# Altium PCB PCB2-v2.PcbDoc (part 5 of 8)
Units mil, origin at the board's own origin, x right, y up, seen from the top; angles counter-clockwise.
Board outline 4330.71 x 4330.71 mil, 2 copper layers (Top Layer, Bottom Layer); 153 components, 127 nets, 575 pads, 933 vias.
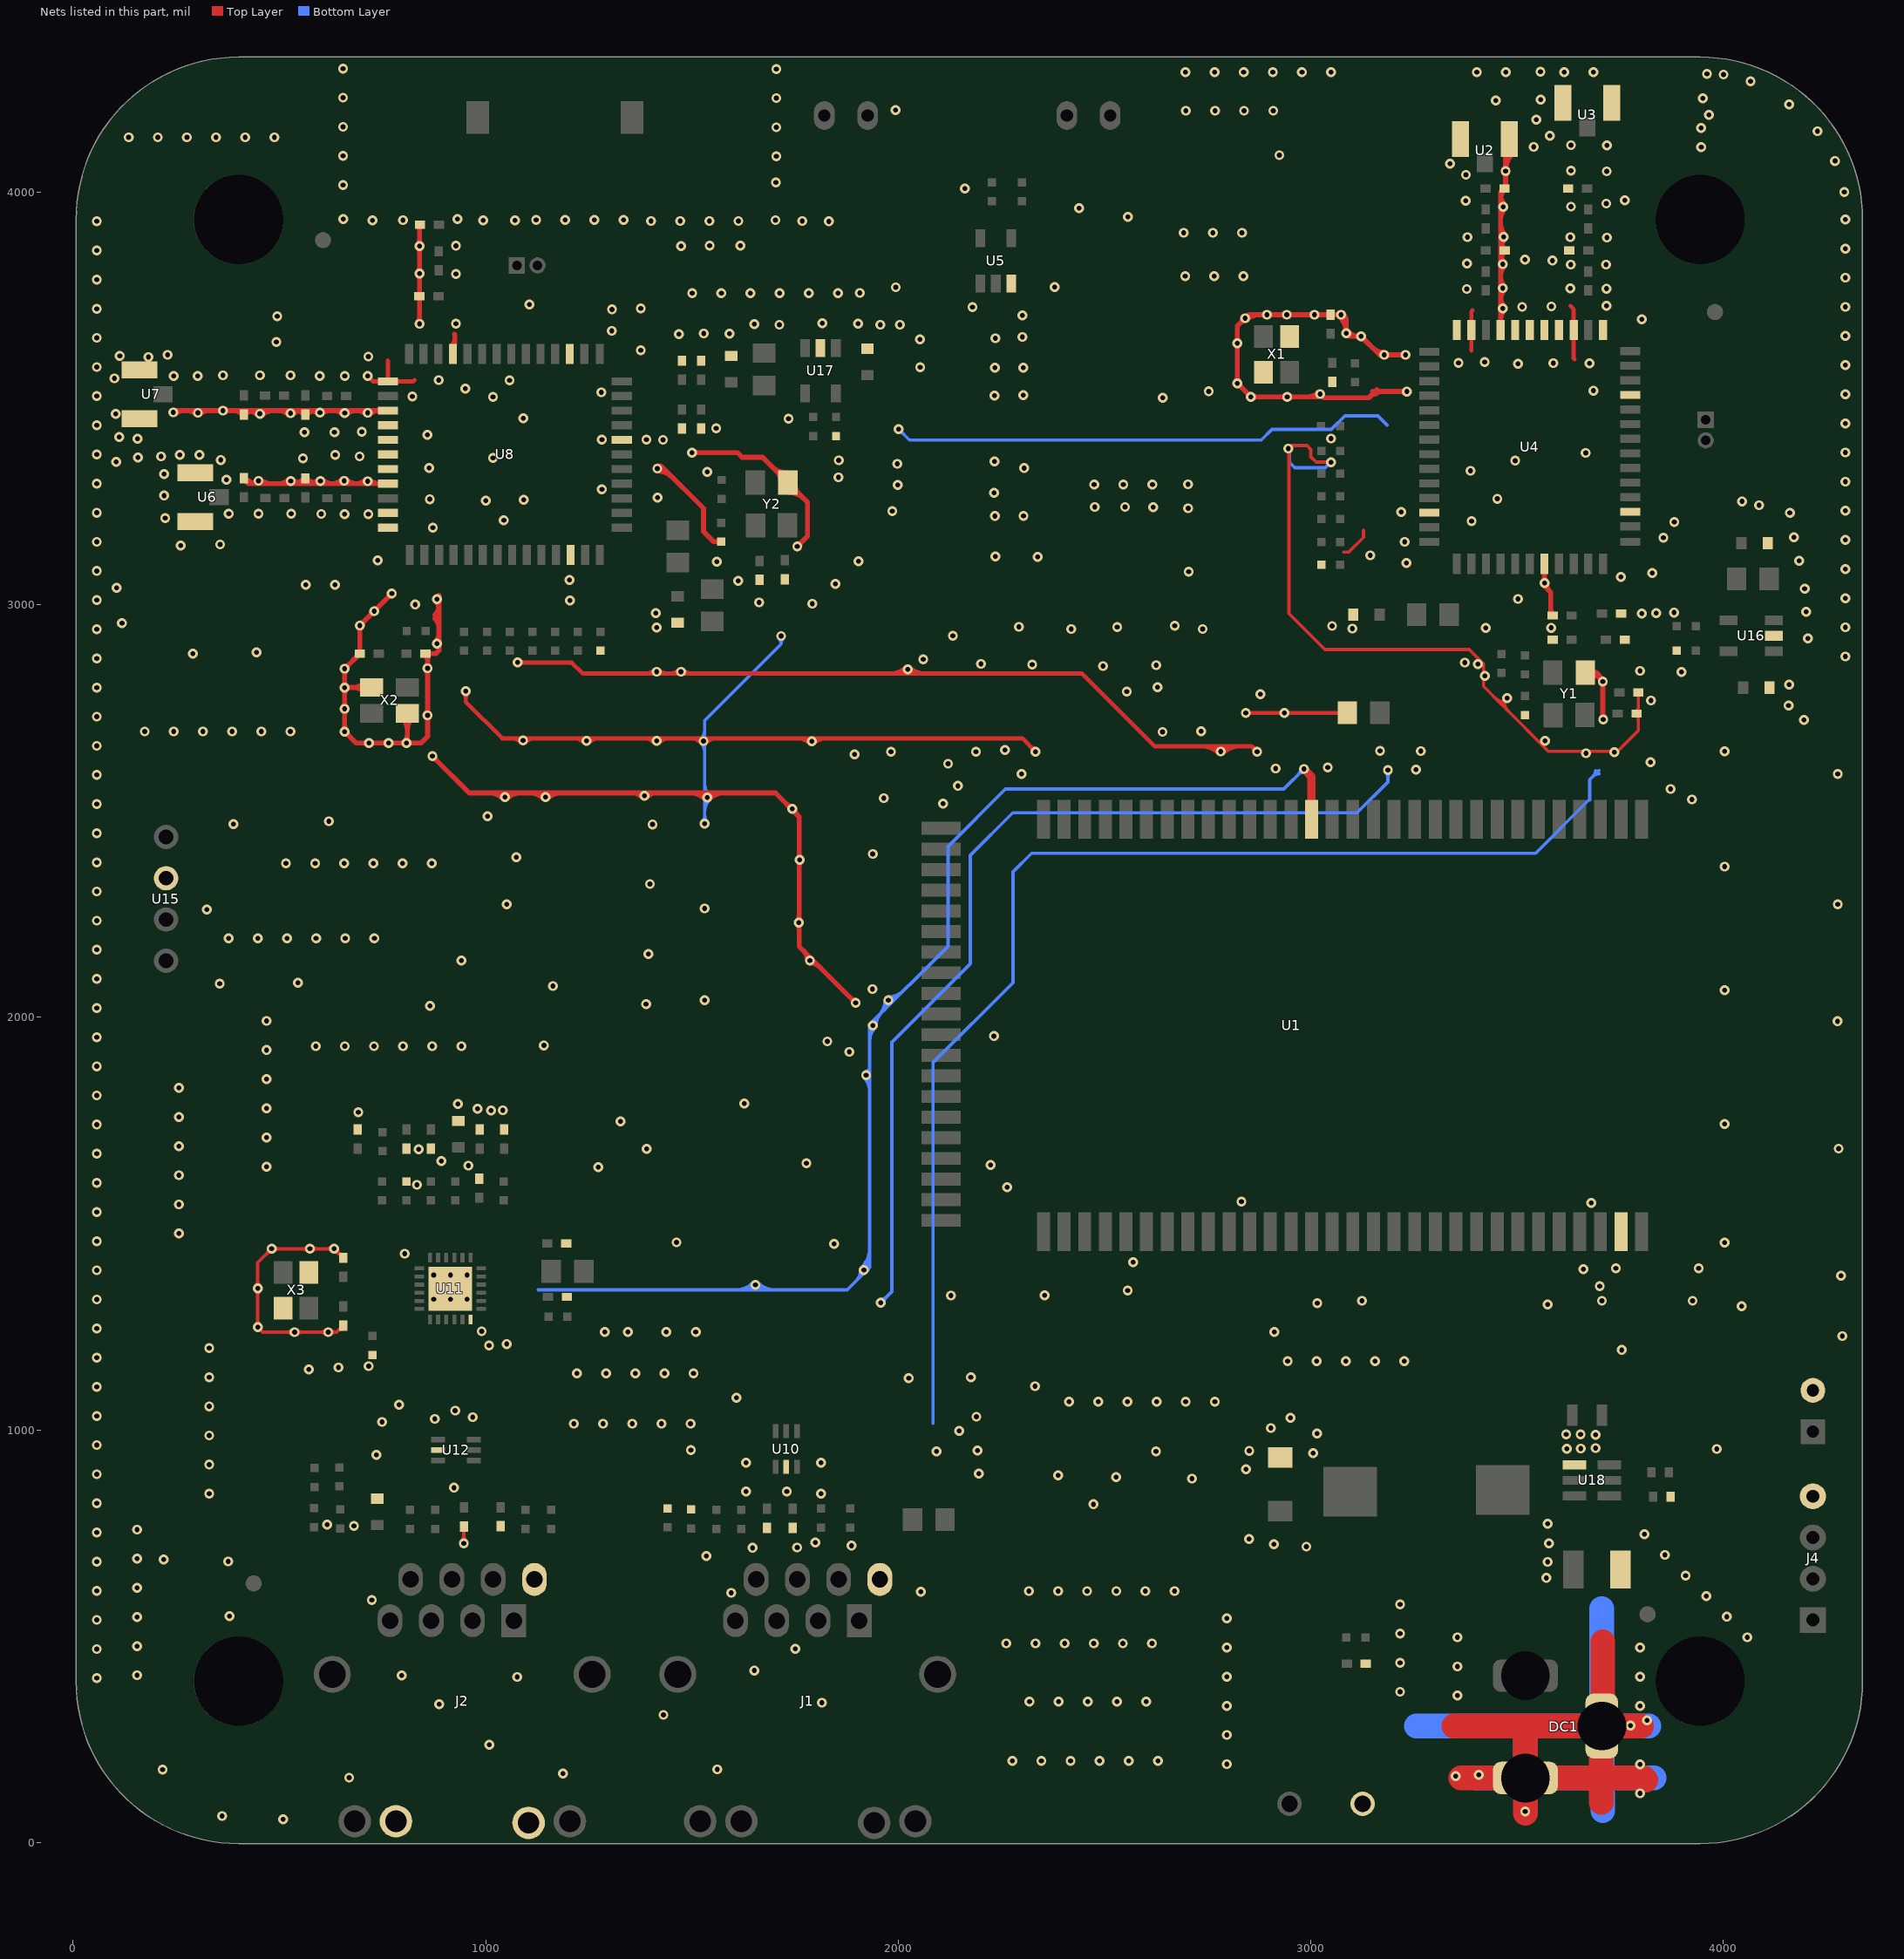
[diagram p5: the nets of this part, all layers, seen from the top]

## Via types
v1: diameter 24, hole 12, Top Layer to Bottom Layer, tented both sides, 931 vias
v2: diameter 78.74, hole 51.18, Top Layer to Bottom Layer, 2 vias

## Nets (pads, with @x,y where several pads share a name; then routed paths per layer and width w, separated by ;. In a path a pad name is that pad's centre, name@x,y a point inside that pad or via, vN(x,y) a via of type N, cw(c..) or ccw(c..) an arc to the next point about the centre after c; other vN are vias at no path point) (continued)
GND: (continued)
  Top Layer w12: v1@242.87,3470.58 U8.3@762.79,3470.58 ; v1@247.11,3461.99 cw(c267.85,3441.25) 267.85,3470.58 ; 275.15,3470.58 cw(c275.15,3438.32) v1@297.96,3461.13 ; v1@306.44,3461.13 cw(c329.25,3438.32) 329.25,3470.58 ; v1@359.08,3466.34 ccw(c348.83,3456.09) 348.83,3470.58 ccw(c348.83,3485.06) v1@359.08,3474.82 ; v1@367.56,3466.34 cw(c377.8,3456.09) 377.8,3470.58 cw(c377.8,3485.06) v1@367.56,3474.82 ; C20.2@419.65,3470.58 cw(c419.65,3430.17) v1@448.23,3458.74 ; v1@443.69,3302.74 cw(c429.48,3308.9) 429.48,3293.41 ; v1@453.44,3304.6 ccw(c480.46,3331.62) 480.46,3293.41 ; v1@456.71,3458.74 cw(c485.28,3430.17) 485.28,3470.58 ; 496.91,3470.58 cw(c496.91,3434.59) v1@522.36,3460.04 ; 497,3293.41 ccw(c497,3330.19) v1@523.01,3304.18 ; v1@530.85,3460.04 cw(c556.3,3434.59) C24.2@556.3,3470.58 ; v1@531.49,3304.18 ccw(c557.5,3330.19) 557.5,3293.41 ; 569.62,3293.41 ccw(c569.62,3329.32) v1@595.01,3303.93 ; 572.96,3470.58 cw(c572.96,3440.98) v1@593.88,3461.91 ; v1@602.37,3461.91 cw(c623.29,3440.98) 623.29,3470.58 ; v1@603.5,3303.93 ccw(c628.89,3329.32) 628.89,3293.41 ; 625.48,3293.41 ccw(c625.48,3331.94) v1@652.72,3304.7 ; 630.26,3470.58 cw(c630.26,3437.06) v1@653.96,3460.76 ; v1(658.15,2798.89) v1(658.15,2692.59) 685.71,2665.03 v1@815.63,2665.03 ; v1@658.15,2799.61 v1(658.15,2844.89) C30.2@694.83,2881.56 v1(694.83,2949.74) v1(772.33,3027.23) ; v1@658.88,2799.61 X2.4@723.3,2799.61 ; v1@661.2,3304.7 ccw(c688.44,3331.94) 688.44,3293.41 ; v1@662.45,3460.76 cw(c686.15,3437.06) 686.15,3470.58 ; 684.86,3293.41 ccw(c684.86,3327.95) v1@709.29,3303.53 ; 686.76,3470.58 cw(c686.76,3438.34) v1@709.56,3461.13 ; v1@717.77,3303.53 ccw(c742.19,3327.95) U8.8@742.19,3293.41 ; v1@718.04,3461.13 cw(c740.84,3438.34) U8.3@740.84,3470.58 ; U8.8@762.79,3293.41 429.48,3293.41 ; X2.2@809.91,2736.62 809.91,2670.75 v1@815.63,2665.03 ; v1(839.26,3680.77) C27.1@839.26,3747.7 839.26,3917.93 cw(c843.5,3917.93) C29.2@840.5,3920.93 ; v1(870.89,2632.89) 959.89,2543.89 1702.28,2543.89 1759.72,2486.44 1759.72,2172.06 v1(1896.89,2034.89) ; v1@886.5,3023.29 886.5,2889.44 878.63,2881.56 C31.2@853.76,2881.56 858.94,2876.38 v1(858.94,2846.13) v1(858.94,2731.96) 858.94,2680.77 843.19,2665.03 v1@815.63,2665.03 ; U8.47@920.27,3607.9 920.27,3631.19 924.97,3635.89 ; 923.89,3656.02 924.97,3654.94 924.97,3635.89 ; v1(1415.89,3330.04) 1431.39,3330.04 1527.89,3233.54 1527.89,3177.34 1552.33,3152.89 R52.1@1570.87,3152.89 ; v1(1499.89,3368.84) 1610.26,3368.84 1621.65,3357.45 1671.05,3357.45 Y2.2@1732.41,3296.09 1779.89,3248.62 1779.89,3166.16 1756.07,3142.34 v1@1751.89,3142.34 ; v1@3015.46,3503.89 v1(2854.89,3503.89) v1(2821.89,3536.89) 2821.89,3675.89 2849.15,3703.15 C12.2@3047.92,3703.15 v1(3073.63,3703.15) 3085.89,3690.89 v1(3085.89,3657.89) 3092.89,3650.89 v1(3121.89,3650.89) 3166.89,3605.89 v1(3229.89,3605.89) ; v1@3021.47,3511.89 3031.47,3501.89 3140.89,3501.89 3155.89,3516.89 v1(3232.89,3516.89) ; U4.8@3460.11,3666.18 3460.11,4000.03 3472.22,4012.13 U2.0@3472.22,4111.03 ; U4.8@3460.11,3690.55 cw(c3493.35,3690.55) v1@3469.85,3714.05 ; 3460.11,3739.78 cw(c3493.39,3739.78) v1@3469.86,3763.31 ; 3460.11,3746.04 ccw(c3493.35,3746.04) v1@3469.85,3722.53 ; 3460.11,3795.33 ccw(c3493.39,3795.33) v1@3469.86,3771.8 ; 3460.11,3797.87 cw(c3493.25,3797.87) v1@3469.82,3821.3 ; C5.1@3460.11,3853.21 ccw(c3493.25,3853.21) v1@3469.82,3829.79 ; C5.1@3460.11,3859 cw(c3499.91,3859) v1@3471.77,3887.14 ; 3460.11,3923.77 ccw(c3499.91,3923.77) v1@3471.77,3895.62 ; 3460.11,3934.57 cw(c3496.89,3934.57) v1@3470.89,3960.57 ; 3460.11,3983.17 cw(c3493.19,3983.17) C1.1@3469.8,4006.56 ; 3460.11,3995.06 ccw(c3496.89,3995.06) v1@3470.89,3969.06 ; v1@3467.98,4046.65 cw(c3457.74,4036.4) 3472.22,4036.4 cw(c3486.71,4036.4) v1@3476.46,4046.65 ; v1@3467.98,4055.13 ccw(c3457.74,4065.37) 3472.22,4065.37 ccw(c3486.71,4065.37) v1@3476.46,4055.13 ; C1.1@3469.15,4012.21 ccw(c3461.72,4019.64) 3472.22,4019.64 ; v1@3472.22,4050.15 cw(c3537.48,4050.15) U2.0@3491.33,4096.29 ; 3472.22,4079.12 cw(c3508.51,4079.12) U2.0@3482.85,4104.78 ; U4.32@3566.41,3099.26 3566.41,3045.44 3581.39,3030.47 3581.39,3017.07 3581.82,3016.64 3581.82,2978.57 C18.2@3586.43,2973.96 ; Y1.2@3665.48,2835.89 3691.89,2835.89 ; v1@3707.89,2717.6 3707.89,2819.89 3691.89,2835.89 ; 429.48,3293.41 cw(c429.48,3305.19) 417.73,3304.45 ccw(c429.48,3305.19) 429.48,3293.41 ; v1@653.91,2696.83 ccw(c643.67,2707.07) 658.15,2707.07 ; v1@653.91,2696.83 ccw(c643.67,2707.07) 658.15,2707.07 ; v1@653.91,2696.83 ccw(c643.67,2707.07) 658.15,2707.07 ; v1@653.91,2696.83 ccw(c643.67,2707.07) 658.15,2707.07 ; v1@653.91,2743.46 cw(c643.67,2733.22) 658.15,2733.22 ; v1@653.91,2743.46 cw(c643.67,2733.22) 658.15,2733.22 ; v1@653.91,2743.46 cw(c643.67,2733.22) 658.15,2733.22 ; v1@653.91,2743.46 cw(c643.67,2733.22) 658.15,2733.22 ; v1@653.91,2751.95 ccw(c643.67,2762.19) 658.15,2762.19 ; v1@653.91,2751.95 ccw(c643.67,2762.19) 658.15,2762.19 ; v1@653.91,2751.95 ccw(c643.67,2762.19) 658.15,2762.19 ; v1@653.91,2751.95 ccw(c643.67,2762.19) 658.15,2762.19 ; v1@653.91,2794.64 cw(c643.67,2784.4) 658.15,2784.4 ; v1@653.91,2794.64 cw(c643.67,2784.4) 658.15,2784.4 ; v1@653.91,2794.64 cw(c643.67,2784.4) 658.15,2784.4 ; v1@653.91,2794.64 cw(c643.67,2784.4) 658.15,2784.4 ; v1@653.91,2803.13 ccw(c643.67,2813.37) 658.15,2813.37 ; v1@653.91,2803.13 ccw(c643.67,2813.37) 658.15,2813.37 ; v1@653.91,2803.13 ccw(c643.67,2813.37) 658.15,2813.37 ; v1@653.91,2803.13 ccw(c643.67,2813.37) 658.15,2813.37 ; v1@653.91,2840.64 cw(c643.67,2830.4) 658.15,2830.4 ; v1@653.91,2840.64 cw(c643.67,2830.4) 658.15,2830.4 ; v1@653.91,2840.64 cw(c643.67,2830.4) 658.15,2830.4 ; v1@653.91,2840.64 cw(c643.67,2830.4) 658.15,2830.4 ; v1@658.15,2686.59 cw(c658.15,2672.1) 668.4,2682.34 ; v1@658.15,2686.59 cw(c658.15,2672.1) 668.4,2682.34 ; v1@658.15,2686.59 cw(c658.15,2672.1) 668.4,2682.34 ; v1@658.15,2686.59 cw(c658.15,2672.1) 668.4,2682.34 ; 658.15,2707.07 ccw(c672.64,2707.07) v1@662.4,2696.83 ; 658.15,2707.07 ccw(c672.64,2707.07) v1@662.4,2696.83 ; 658.15,2707.07 ccw(c672.64,2707.07) v1@662.4,2696.83 ; 658.15,2707.07 ccw(c672.64,2707.07) v1@662.4,2696.83 ; 658.15,2733.22 cw(c672.64,2733.22) v1@662.4,2743.46 ; 658.15,2733.22 cw(c672.64,2733.22) v1@662.4,2743.46 ; 658.15,2733.22 cw(c672.64,2733.22) v1@662.4,2743.46 ; 658.15,2733.22 cw(c672.64,2733.22) v1@662.4,2743.46 ; 658.15,2762.19 ccw(c672.64,2762.19) v1@662.4,2751.95 ; 658.15,2762.19 ccw(c672.64,2762.19) v1@662.4,2751.95 ; 658.15,2762.19 ccw(c672.64,2762.19) v1@662.4,2751.95 ; 658.15,2762.19 ccw(c672.64,2762.19) v1@662.4,2751.95 ; 658.15,2784.4 cw(c672.64,2784.4) v1@662.4,2794.64 ; 658.15,2784.4 cw(c672.64,2784.4) v1@662.4,2794.64 ; 658.15,2784.4 cw(c672.64,2784.4) v1@662.4,2794.64 ; 658.15,2784.4 cw(c672.64,2784.4) v1@662.4,2794.64 ; 658.15,2813.37 ccw(c672.64,2813.37) v1@662.4,2803.13 ; 658.15,2813.37 ccw(c672.64,2813.37) v1@662.4,2803.13 ; 658.15,2813.37 ccw(c672.64,2813.37) v1@662.4,2803.13 ; 658.15,2813.37 ccw(c672.64,2813.37) v1@662.4,2803.13 ; 658.15,2830.4 cw(c672.64,2830.4) v1@662.4,2840.64 ; 658.15,2830.4 cw(c672.64,2830.4) v1@662.4,2840.64 ; 658.15,2830.4 cw(c672.64,2830.4) v1@662.4,2840.64 ; 658.15,2830.4 cw(c672.64,2830.4) v1@662.4,2840.64 ; v1@658.15,2850.89 ccw(c658.15,2865.37) 668.4,2855.13 ; v1@658.15,2850.89 ccw(c658.15,2865.37) 668.4,2855.13 ; v1@658.15,2850.89 ccw(c658.15,2865.37) 668.4,2855.13 ; v1@658.15,2850.89 ccw(c658.15,2865.37) 668.4,2855.13 ; v1@662.4,2794.64 cw(c674.39,2782.65) 674.39,2799.61 ; v1@662.4,2794.64 cw(c674.39,2782.65) 674.39,2799.61 ; v1@662.4,2794.64 cw(c674.39,2782.65) 674.39,2799.61 ; v1@662.4,2794.64 cw(c674.39,2782.65) 674.39,2799.61 ; v1@662.4,2803.13 ccw(c670.89,2811.62) 670.89,2799.61 ; v1@662.4,2803.13 ccw(c670.89,2811.62) 670.89,2799.61 ; v1@662.4,2803.13 ccw(c670.89,2811.62) 670.89,2799.61 ; v1@662.4,2803.13 ccw(c670.89,2811.62) 670.89,2799.61 ; v1@664.15,2692.59 ccw(c678.64,2692.59) 668.4,2682.34 ; v1@664.15,2692.59 ccw(c678.64,2692.59) 668.4,2682.34 ; v1@664.15,2692.59 ccw(c678.64,2692.59) 668.4,2682.34 ; v1@664.15,2692.59 ccw(c678.64,2692.59) 668.4,2682.34 ; v1@664.15,2844.89 cw(c678.64,2844.89) 668.4,2855.13 ; v1@664.15,2844.89 cw(c678.64,2844.89) 668.4,2855.13 ; v1@664.15,2844.89 cw(c678.64,2844.89) 668.4,2855.13 ; v1@664.15,2844.89 cw(c678.64,2844.89) 668.4,2855.13 ; 678.21,2799.61 cw(c678.21,2759.44) X2.4@706.61,2787.84 ; 678.21,2799.61 ccw(c678.21,2839.78) X2.4@706.61,2811.37 ; 678.21,2799.61 cw(c678.21,2759.44) X2.4@706.61,2787.84 ; 678.21,2799.61 ccw(c678.21,2839.78) X2.4@706.61,2811.37 ; 678.21,2799.61 ccw(c678.21,2839.78) X2.4@706.61,2811.37 ; 678.21,2799.61 cw(c678.21,2759.44) X2.4@706.61,2787.84 ; 678.21,2799.61 ccw(c678.21,2839.78) X2.4@706.61,2811.37 ; 678.21,2799.61 cw(c678.21,2759.44) X2.4@706.61,2787.84 ; 683.73,2870.47 ccw(c672.64,2881.56) C30.2@688.33,2881.56 ; 683.73,2870.47 ccw(c672.64,2881.56) C30.2@688.33,2881.56 ; 683.73,2870.47 ccw(c672.64,2881.56) C30.2@688.33,2881.56 ; 683.73,2870.47 ccw(c672.64,2881.56) C30.2@688.33,2881.56 ; v1@690.59,2945.49 cw(c680.35,2935.25) 694.83,2935.25 ; v1@690.59,2945.49 cw(c680.35,2935.25) 694.83,2935.25 ; v1@690.59,2945.49 cw(c680.35,2935.25) 694.83,2935.25 ; v1@690.59,2945.49 cw(c680.35,2935.25) 694.83,2935.25 ; 694.83,2935.25 cw(c709.32,2935.25) v1@699.07,2945.49 ; 694.83,2935.25 cw(c709.32,2935.25) v1@699.07,2945.49 ; 694.83,2935.25 cw(c709.32,2935.25) v1@699.07,2945.49 ; 694.83,2935.25 cw(c709.32,2935.25) v1@699.07,2945.49 ; v1@694.83,2955.74 ccw(c694.83,2970.22) 705.07,2959.98 ; v1@694.83,2955.74 ccw(c694.83,2970.22) 705.07,2959.98 ; v1@694.83,2955.74 ccw(c694.83,2970.22) 705.07,2959.98 ; v1@694.83,2955.74 ccw(c694.83,2970.22) 705.07,2959.98 ; v1@700.83,2949.74 cw(c715.32,2949.74) 705.07,2959.98 ; v1@700.83,2949.74 cw(c715.32,2949.74) 705.07,2959.98 ; v1@700.83,2949.74 cw(c715.32,2949.74) 705.07,2959.98 ; v1@700.83,2949.74 cw(c715.32,2949.74) 705.07,2959.98 ; 702.72,2665.03 cw(c702.72,2650.54) v1@712.97,2660.78 ; 702.72,2665.03 ccw(c702.72,2679.51) v1@712.97,2669.27 ; 702.72,2665.03 cw(c702.72,2650.54) v1@712.97,2660.78 ; 702.72,2665.03 ccw(c702.72,2679.51) v1@712.97,2669.27 ; 702.72,2665.03 ccw(c702.72,2679.51) v1@712.97,2669.27 ; 702.72,2665.03 cw(c702.72,2650.54) v1@712.97,2660.78 ; 702.72,2665.03 ccw(c702.72,2679.51) v1@712.97,2669.27 ; 702.72,2665.03 cw(c702.72,2650.54) v1@712.97,2660.78 ; 719.22,2974.13 cw(c729.46,2963.88) v1@729.46,2978.37 ; 719.22,2974.13 ccw(c708.98,2984.37) v1@723.46,2984.37 ; 719.22,2974.13 cw(c729.46,2963.88) v1@729.46,2978.37 ; 719.22,2974.13 ccw(c708.98,2984.37) v1@723.46,2984.37 ; 719.22,2974.13 ccw(c708.98,2984.37) v1@723.46,2984.37 ; 719.22,2974.13 cw(c729.46,2963.88) v1@729.46,2978.37 ; 719.22,2974.13 ccw(c708.98,2984.37) v1@723.46,2984.37 ; 719.22,2974.13 cw(c729.46,2963.88) v1@729.46,2978.37 ; v1@721.45,2660.78 cw(c731.69,2650.54) 731.69,2665.03 ; v1@721.45,2660.78 cw(c731.69,2650.54) 731.69,2665.03 ; v1@721.45,2660.78 cw(c731.69,2650.54) 731.69,2665.03 ; v1@721.45,2660.78 cw(c731.69,2650.54) 731.69,2665.03 ; v1@721.45,2669.27 ccw(c731.69,2679.51) 731.69,2665.03 ; v1@721.45,2669.27 ccw(c731.69,2679.51) 731.69,2665.03 ; v1@721.45,2669.27 ccw(c731.69,2679.51) 731.69,2665.03 ; v1@721.45,2669.27 ccw(c731.69,2679.51) 731.69,2665.03 ; v1@729.46,2990.37 ccw(c729.46,3004.85) 739.71,2994.61 ; v1@729.46,2990.37 ccw(c729.46,3004.85) 739.71,2994.61 ; v1@729.46,2990.37 ccw(c729.46,3004.85) 739.71,2994.61 ; v1@729.46,2990.37 ccw(c729.46,3004.85) 739.71,2994.61 ; v1@735.46,2984.37 cw(c749.95,2984.37) 739.71,2994.61 ; v1@735.46,2984.37 cw(c749.95,2984.37) 739.71,2994.61 ; v1@735.46,2984.37 cw(c749.95,2984.37) 739.71,2994.61 ; v1@735.46,2984.37 cw(c749.95,2984.37) 739.71,2994.61 ; 749.97,2665.03 cw(c749.97,2650.54) v1@760.21,2660.78 ; 749.97,2665.03 ccw(c749.97,2679.51) v1@760.21,2669.27 ; 749.97,2665.03 cw(c749.97,2650.54) v1@760.21,2660.78 ; 749.97,2665.03 ccw(c749.97,2679.51) v1@760.21,2669.27 ; 749.97,2665.03 ccw(c749.97,2679.51) v1@760.21,2669.27 ; 749.97,2665.03 cw(c749.97,2650.54) v1@760.21,2660.78 ; 749.97,2665.03 ccw(c749.97,2679.51) v1@760.21,2669.27 ; 749.97,2665.03 cw(c749.97,2650.54) v1@760.21,2660.78 ; 762.08,3016.99 cw(c772.33,3006.75) v1@772.33,3021.23 ; 762.08,3016.99 ccw(c751.84,3027.23) v1@766.33,3027.23 ; 762.08,3016.99 cw(c772.33,3006.75) v1@772.33,3021.23 ; 762.08,3016.99 ccw(c751.84,3027.23) v1@766.33,3027.23 ; 762.08,3016.99 ccw(c751.84,3027.23) v1@766.33,3027.23 ; 762.08,3016.99 cw(c772.33,3006.75) v1@772.33,3021.23 ; 762.08,3016.99 ccw(c751.84,3027.23) v1@766.33,3027.23 ; 762.08,3016.99 cw(c772.33,3006.75) v1@772.33,3021.23 ; v1@768.7,2660.78 cw(c778.94,2650.54) 778.94,2665.03 ; v1@768.7,2660.78 cw(c778.94,2650.54) 778.94,2665.03 ; v1@768.7,2660.78 cw(c778.94,2650.54) 778.94,2665.03 ; v1@768.7,2660.78 cw(c778.94,2650.54) 778.94,2665.03 ; v1@768.7,2669.27 ccw(c778.94,2679.51) 778.94,2665.03 ; v1@768.7,2669.27 ccw(c778.94,2679.51) 778.94,2665.03 ; v1@768.7,2669.27 ccw(c778.94,2679.51) 778.94,2665.03 ; v1@768.7,2669.27 ccw(c778.94,2679.51) 778.94,2665.03 ; 793.27,2665.03 cw(c793.27,2650.54) v1@803.52,2660.78 ; 793.27,2665.03 ccw(c793.27,2679.51) v1@803.52,2669.27 ; 793.27,2665.03 cw(c793.27,2650.54) v1@803.52,2660.78 ; 793.27,2665.03 ccw(c793.27,2679.51) v1@803.52,2669.27 ; 793.27,2665.03 ccw(c793.27,2679.51) v1@803.52,2669.27 ; 793.27,2665.03 cw(c793.27,2650.54) v1@803.52,2660.78 ; 793.27,2665.03 ccw(c793.27,2679.51) v1@803.52,2669.27 ; 793.27,2665.03 cw(c793.27,2650.54) v1@803.52,2660.78 ; X2.2@798.14,2724.85 cw(c769.74,2696.45) 809.91,2696.45 ; X2.2@798.14,2724.85 cw(c769.74,2696.45) 809.91,2696.45 ; X2.2@798.14,2724.85 cw(c769.74,2696.45) 809.91,2696.45 ; X2.2@798.14,2724.85 cw(c769.74,2696.45) 809.91,2696.45 ; v1@803.52,2669.27 ccw(c788.09,2684.7) 809.91,2684.7 ; v1@803.52,2669.27 ccw(c788.09,2684.7) 809.91,2684.7 ; v1@803.52,2669.27 ccw(c788.09,2684.7) 809.91,2684.7 ; v1@803.52,2669.27 ccw(c788.09,2684.7) 809.91,2684.7 ; 809.91,2696.45 cw(c850.08,2696.45) X2.2@821.67,2724.85 ; 809.91,2696.45 cw(c850.08,2696.45) X2.2@821.67,2724.85 ; 809.91,2696.45 cw(c850.08,2696.45) X2.2@821.67,2724.85 ; 809.91,2696.45 cw(c850.08,2696.45) X2.2@821.67,2724.85 ; v1@812,2660.78 cw(c822.25,2650.54) 822.25,2665.03 ; v1@812,2660.78 cw(c822.25,2650.54) 822.25,2665.03 ; v1@812,2660.78 cw(c822.25,2650.54) 822.25,2665.03 ; v1@812,2660.78 cw(c822.25,2650.54) 822.25,2665.03 ; v1@812,2669.27 ccw(c822.25,2679.51) 822.25,2665.03 ; v1@812,2669.27 ccw(c822.25,2679.51) 822.25,2665.03 ; v1@812,2669.27 ccw(c822.25,2679.51) 822.25,2665.03 ; v1@812,2669.27 ccw(c822.25,2679.51) 822.25,2665.03 ; v1@835.01,3685.02 ccw(c824.77,3695.26) 839.26,3695.26 ; v1@835.01,3685.02 ccw(c824.77,3695.26) 839.26,3695.26 ; v1@835.01,3685.02 ccw(c824.77,3695.26) 839.26,3695.26 ; v1@835.01,3685.02 ccw(c824.77,3695.26) 839.26,3695.26 ; v1@835.01,3798.58 cw(c824.77,3788.34) 839.26,3788.34 ; v1@835.01,3798.58 cw(c824.77,3788.34) 839.26,3788.34 ; v1@835.01,3798.58 cw(c824.77,3788.34) 839.26,3788.34 ; v1@835.01,3798.58 cw(c824.77,3788.34) 839.26,3788.34 ; v1@835.01,3807.06 ccw(c824.77,3817.31) 839.26,3817.31 ; v1@835.01,3807.06 ccw(c824.77,3817.31) 839.26,3817.31 ; v1@835.01,3807.06 ccw(c824.77,3817.31) 839.26,3817.31 ; v1@835.01,3807.06 ccw(c824.77,3817.31) 839.26,3817.31 ; v1@835.01,3865.51 cw(c824.77,3855.27) 839.26,3855.27 ; v1@835.01,3865.51 cw(c824.77,3855.27) 839.26,3855.27 ; v1@835.01,3865.51 cw(c824.77,3855.27) 839.26,3855.27 ; v1@835.01,3865.51 cw(c824.77,3855.27) 839.26,3855.27 ; v1@835.01,3873.99 ccw(c824.77,3884.24) 839.26,3884.24 ; v1@835.01,3873.99 ccw(c824.77,3884.24) 839.26,3884.24 ; v1@835.01,3873.99 ccw(c824.77,3884.24) 839.26,3884.24 ; v1@835.01,3873.99 ccw(c824.77,3884.24) 839.26,3884.24 ; 839.26,3695.26 ccw(c853.74,3695.26) v1@843.5,3685.02 ; 839.26,3695.26 ccw(c853.74,3695.26) v1@843.5,3685.02 ; 839.26,3695.26 ccw(c853.74,3695.26) v1@843.5,3685.02 ; 839.26,3695.26 ccw(c853.74,3695.26) v1@843.5,3685.02 ; 839.26,3788.34 cw(c853.74,3788.34) v1@843.5,3798.58 ; 839.26,3788.34 cw(c853.74,3788.34) v1@843.5,3798.58 ; 839.26,3788.34 cw(c853.74,3788.34) v1@843.5,3798.58 ; 839.26,3788.34 cw(c853.74,3788.34) v1@843.5,3798.58 ; 839.26,3817.31 ccw(c853.74,3817.31) v1@843.5,3807.06 ; 839.26,3817.31 ccw(c853.74,3817.31) v1@843.5,3807.06 ; 839.26,3817.31 ccw(c853.74,3817.31) v1@843.5,3807.06 ; 839.26,3817.31 ccw(c853.74,3817.31) v1@843.5,3807.06 ; 839.26,3855.27 cw(c853.74,3855.27) v1@843.5,3865.51 ; 839.26,3855.27 cw(c853.74,3855.27) v1@843.5,3865.51 ; 839.26,3855.27 cw(c853.74,3855.27) v1@843.5,3865.51 ; 839.26,3855.27 cw(c853.74,3855.27) v1@843.5,3865.51 ; 839.26,3884.24 ccw(c853.74,3884.24) v1@843.5,3873.99 ; 839.26,3884.24 ccw(c853.74,3884.24) v1@843.5,3873.99 ; 839.26,3884.24 ccw(c853.74,3884.24) v1@843.5,3873.99 ; 839.26,3884.24 ccw(c853.74,3884.24) v1@843.5,3873.99 ; 839.26,3908.27 cw(c853.16,3908.27) C29.2@843.33,3918.1 ; 839.26,3908.27 cw(c853.16,3908.27) C29.2@843.33,3918.1 ; 839.26,3908.27 cw(c853.16,3908.27) C29.2@843.33,3918.1 ; 839.26,3908.27 cw(c853.16,3908.27) C29.2@843.33,3918.1 ; C31.2@853.43,2878.73 cw(c840.13,2865.43) 858.94,2865.43 ; C31.2@853.43,2878.73 cw(c840.13,2865.43) 858.94,2865.43 ; C31.2@853.43,2878.73 cw(c840.13,2865.43) 858.94,2865.43 ; C31.2@853.43,2878.73 cw(c840.13,2865.43) 858.94,2865.43 ; v1@854.7,2727.71 cw(c844.46,2717.47) 858.94,2717.47 ; v1@854.7,2727.71 cw(c844.46,2717.47) 858.94,2717.47 ; v1@854.7,2727.71 cw(c844.46,2717.47) 858.94,2717.47 ; v1@854.7,2727.71 cw(c844.46,2717.47) 858.94,2717.47 ; v1@854.7,2736.2 ccw(c844.46,2746.44) 858.94,2746.44 ; v1@854.7,2736.2 ccw(c844.46,2746.44) 858.94,2746.44 ; v1@854.7,2736.2 ccw(c844.46,2746.44) 858.94,2746.44 ; v1@854.7,2736.2 ccw(c844.46,2746.44) 858.94,2746.44 ; v1@854.7,2841.89 cw(c844.46,2831.64) 858.94,2831.64 ; v1@854.7,2841.89 cw(c844.46,2831.64) 858.94,2831.64 ; v1@854.7,2841.89 cw(c844.46,2831.64) 858.94,2831.64 ; v1@854.7,2841.89 cw(c844.46,2831.64) 858.94,2831.64 ; v1@854.7,2850.37 ccw(c844.46,2860.61) 858.94,2860.61 ; v1@854.7,2850.37 ccw(c844.46,2860.61) 858.94,2860.61 ; v1@854.7,2850.37 ccw(c844.46,2860.61) 858.94,2860.61 ; v1@854.7,2850.37 ccw(c844.46,2860.61) 858.94,2860.61 ; 858.94,2717.47 cw(c873.43,2717.47) v1@863.18,2727.71 ; 858.94,2717.47 cw(c873.43,2717.47) v1@863.18,2727.71 ; 858.94,2717.47 cw(c873.43,2717.47) v1@863.18,2727.71 ; 858.94,2717.47 cw(c873.43,2717.47) v1@863.18,2727.71 ; 858.94,2746.44 ccw(c873.43,2746.44) v1@863.18,2736.2 ; 858.94,2746.44 ccw(c873.43,2746.44) v1@863.18,2736.2 ; 858.94,2746.44 ccw(c873.43,2746.44) v1@863.18,2736.2 ; 858.94,2746.44 ccw(c873.43,2746.44) v1@863.18,2736.2 ; 858.94,2831.64 cw(c873.43,2831.64) v1@863.18,2841.89 ; 858.94,2831.64 cw(c873.43,2831.64) v1@863.18,2841.89 ; 858.94,2831.64 cw(c873.43,2831.64) v1@863.18,2841.89 ; 858.94,2831.64 cw(c873.43,2831.64) v1@863.18,2841.89 ; 858.94,2860.61 ccw(c873.43,2860.61) v1@863.18,2850.37 ; 858.94,2860.61 ccw(c873.43,2860.61) v1@863.18,2850.37 ; 858.94,2860.61 ccw(c873.43,2860.61) v1@863.18,2850.37 ; 858.94,2860.61 ccw(c873.43,2860.61) v1@863.18,2850.37 ; v1@870.89,2626.89 cw(c870.89,2612.41) 881.13,2622.65 ; v1@870.89,2626.89 cw(c870.89,2612.41) 881.13,2622.65 ; v1@870.89,2626.89 cw(c870.89,2612.41) 881.13,2622.65 ; v1@870.89,2626.89 cw(c870.89,2612.41) 881.13,2622.65 ; v1@876.89,2632.89 ccw(c891.37,2632.89) 881.13,2622.65 ; v1@876.89,2632.89 ccw(c891.37,2632.89) 881.13,2622.65 ; v1@876.89,2632.89 ccw(c891.37,2632.89) 881.13,2622.65 ; v1@876.89,2632.89 ccw(c891.37,2632.89) 881.13,2622.65 ; v1@877.64,2910.14 ccw(c856.26,2931.52) 886.5,2931.52 ; v1@877.64,2910.14 ccw(c856.26,2931.52) 886.5,2931.52 ; v1@877.64,2910.14 ccw(c856.26,2931.52) 886.5,2931.52 ; v1@877.64,2910.14 ccw(c856.26,2931.52) 886.5,2931.52 ; v1@877.64,3009.65 cw(c856.26,2988.27) 886.5,2988.27 ; v1@877.64,3009.65 cw(c856.26,2988.27) 886.5,2988.27 ; v1@877.64,3009.65 cw(c856.26,2988.27) 886.5,2988.27 ; v1@877.64,3009.65 cw(c856.26,2988.27) 886.5,2988.27 ; v1@879.23,2900.51 cw(c873.43,2888.8) 886.5,2888.8 ; v1@879.23,2900.51 cw(c873.43,2888.8) 886.5,2888.8 ; v1@879.23,2900.51 cw(c873.43,2888.8) 886.5,2888.8 ; v1@879.23,2900.51 cw(c873.43,2888.8) 886.5,2888.8 ; U8.47@917.55,3625.38 ccw(c899.65,3643.28) 924.97,3643.28 ; U8.47@917.55,3625.38 